# KiCad board HPM1500_DDR2_CORE_RevA.kicad_pcb (continued)
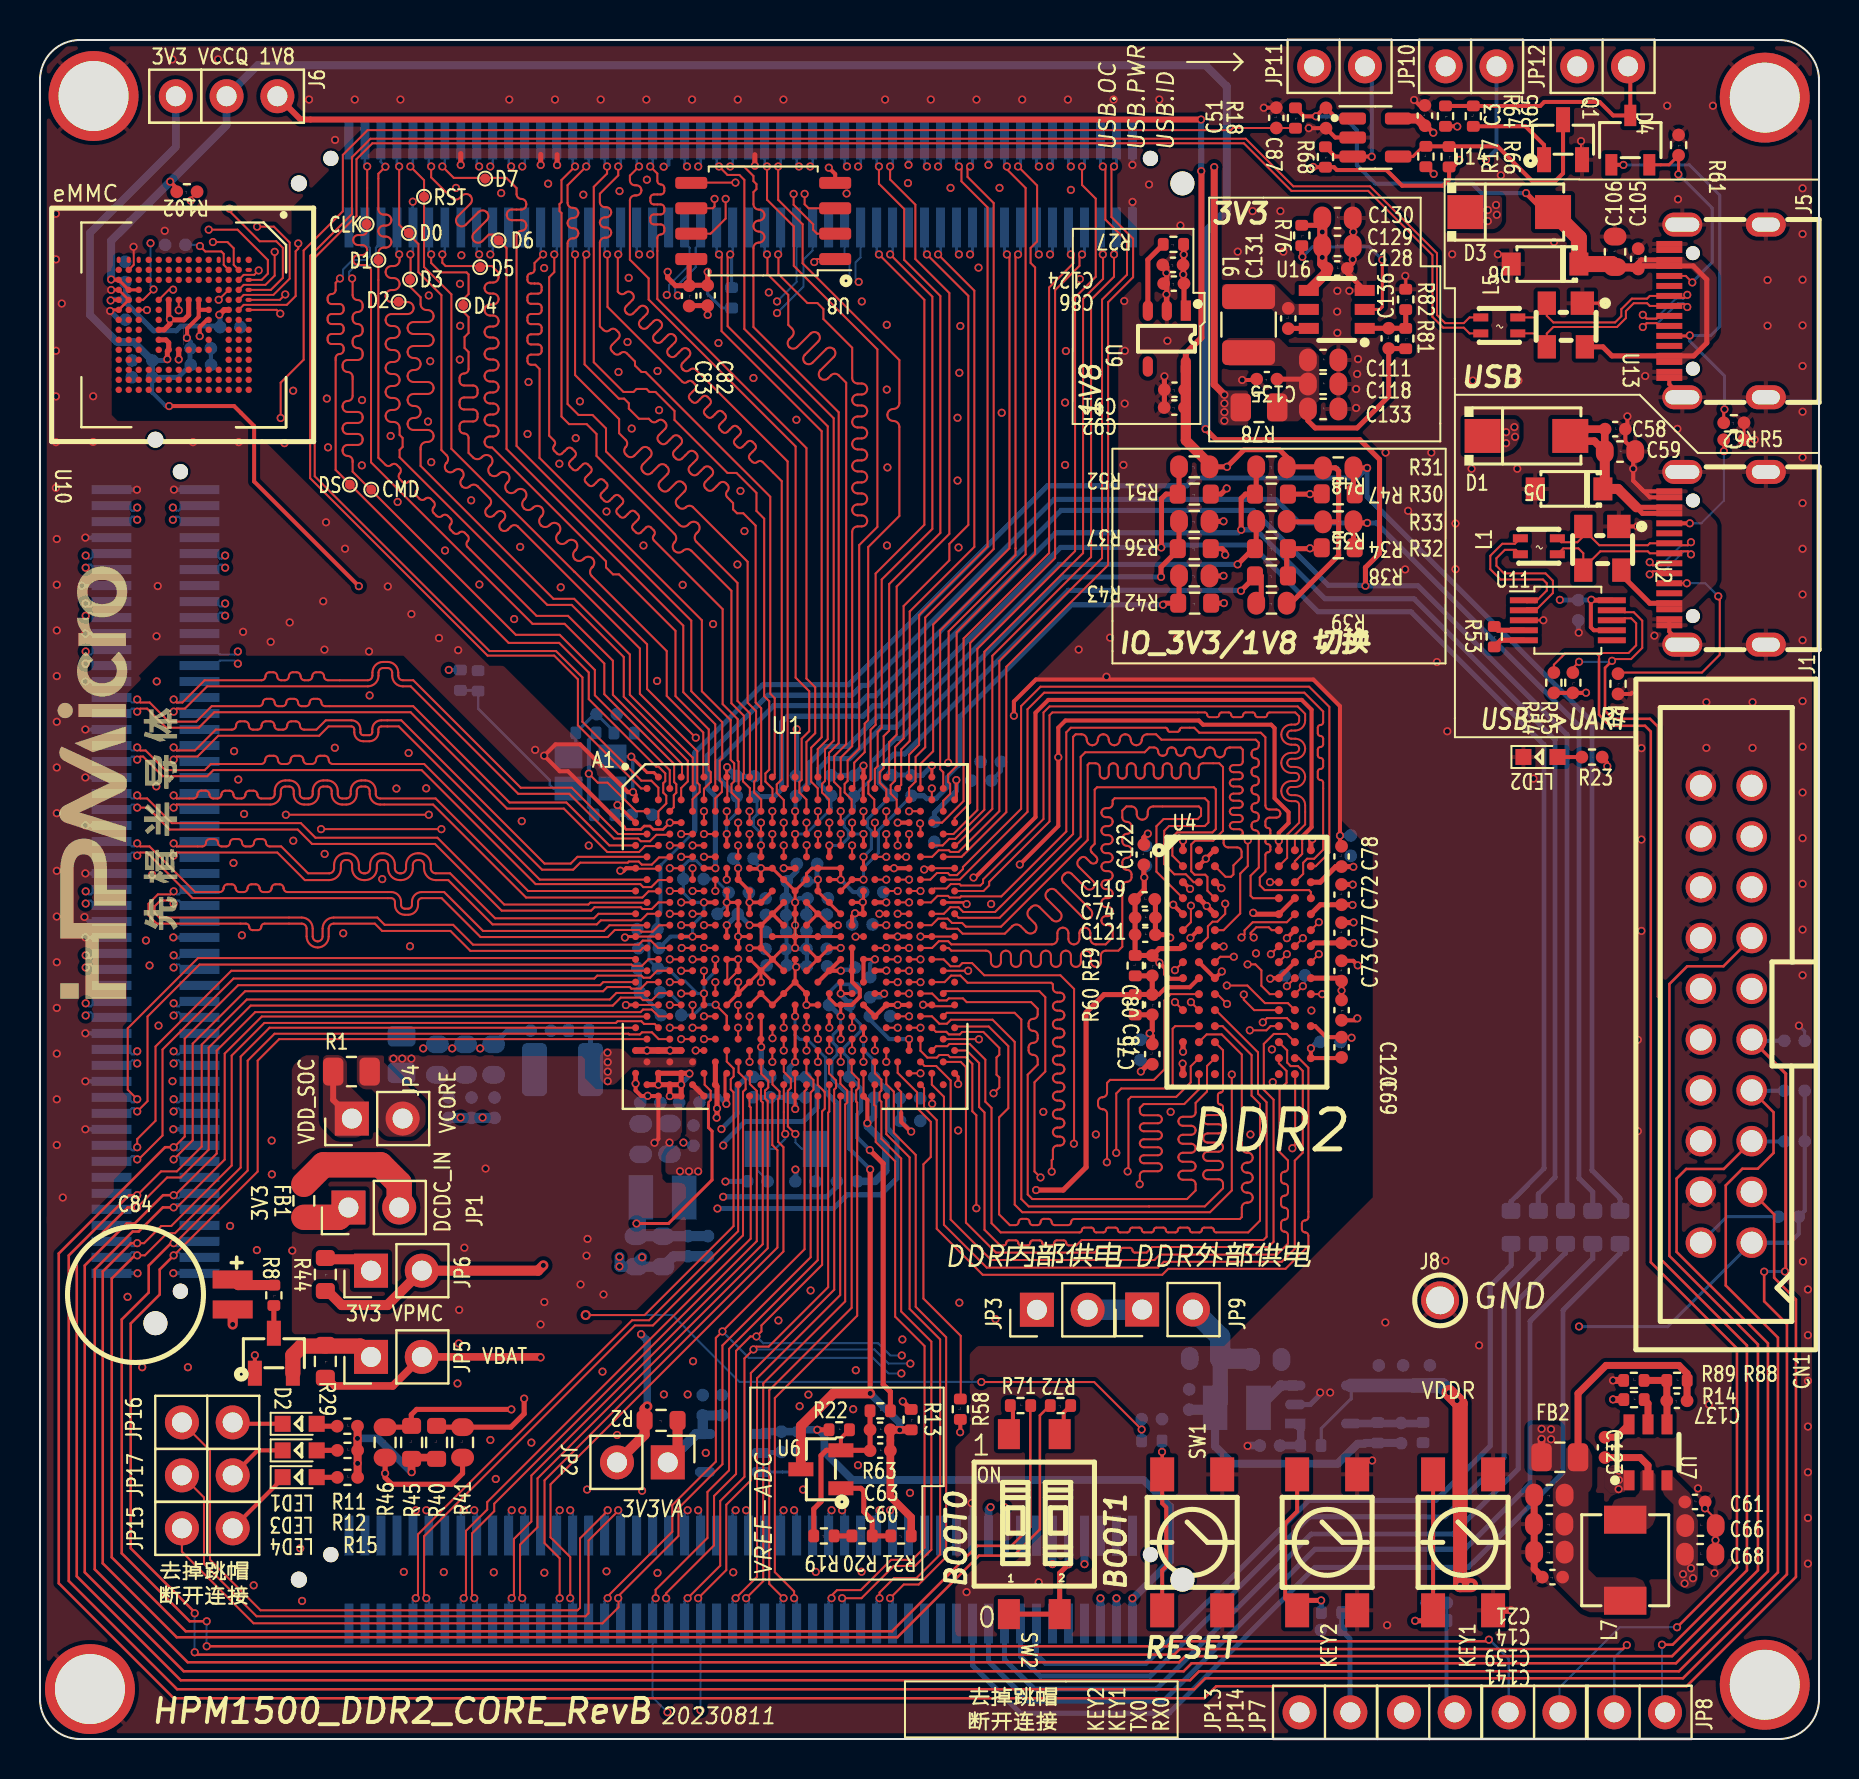
[diagram p0: board, top side]
## Library data of the parts (continued)
R14 R16 R24 R25 R27 R28 R54 R55 R57 R65-R68 R74 R76 = -: Description: Resistor; Company: UNI-ROYAL(厚声); Model: 0402WGF1002TCE
R17 R26 R84 R85 = -: Description: Resistor; ASSY_OPT: DNP; Company: YAGEO(国巨); Model: RC0402JR-070RL
R19 = -: Description: Resistor; Company: UNI-ROYAL(厚声); Model: 0402WGF4701TCE
R20 = -: Description: Resistor; Company: UNI-ROYAL(厚声); Model: 0402WGF2200TCE
R31 R33 R35 R37 R39 R41 R43 R46 R48 R52 = -: Description: Resistor; ASSY_OPT: DNP; Company: UNI-ROYAL(厚声); Model: 0603WAF0000T5E
R53 R59 R60 = -: Description: Resistor; Company: UNI-ROYAL(厚声); Model: 0402WGF2001TCE
R58 = -: Description: Resistor; Company: UNI-ROYAL(厚声); Model: 0402WGF2400TCE
R61 R62 = -: Description: Resistor; ASSY_OPT: DNP; Company: UNI-ROYAL(厚声); Model: 0402WGF5101TCE
R64 R81 R88 = -: Description: Resistor; Company: UNI-ROYAL(厚声); Model: 0402WGF1003TCE
R73 = -: Description: Resistor; Company: UNI-ROYAL(厚声); Model: 0402WGF2002TCE
R78 = -: Description: Resistor; ASSY_OPT: DNP; Company: FH(风华); Model: RS-05000JT
R82 R89 = -: Description: Resistor; Company: UNI-ROYAL(厚声); Model: 0402WGF2212TCE
SW2 = -: Company: 圜达; Model: DM-02-V
TRST1-TRST12 = -: Description: test point
U1 = -: Company: HPM
U2 U13 = -: Company: TECH PUBLIC(台舟)
U3 U16 = -: Company: silergy(矽力杰)
U4 = -: Description: DDR2; Company: WINBOND(华邦)
U5 U7 U9 = -: Company: TI
U8 = -: Company: MXIC(旺宏电子)
U10 = -: Company: ISSI
U11 = -: Description: USB serial converter, UART, MSOP-10; Company: WCH(南京沁恒)
X2 = -: Company: EPSON(爱普生); Model: FC-135 32.7680KA-AC
X3 = -: Company: YXC(扬兴晶振); Model: OT322524MJBA4SL

## Footprints (pads in the part's own frame, mm; a bottom-side part is the same pattern mirrored in y, then rotated)
3215
  rect 1.3x1.801 smd: 1(-1.458,0) 2(1.458,0)
 板对板连接器100P_0.8mm_公头
  round 0.8 hole 0.8 unplated: (-0.6,-3.2)
  round 0.762 hole 0.762 unplated: (1,-4.45) (42,-4.45)
  round 1.2 hole 1.2 unplated: (43.6,-3.2)
  rect 0.45x2 smd: 1(1.9,-5.4) 2(1.9,-1) 3(2.7,-5.4) 4(2.7,-1) 5(3.5,-5.4) 6(3.5,-1) 7(4.3,-5.4) 8(4.3,-1) 9(5.1,-5.4) 10(5.1,-1) 11(5.9,-5.4) 12(5.9,-1) 13(6.7,-5.4) 14(6.7,-1) 15(7.5,-5.4) 16(7.5,-1) 17(8.3,-5.4) 18(8.3,-1) 19(9.1,-5.4) 20(9.1,-1) 21(9.9,-5.4) 22(9.9,-1) 23(10.7,-5.4) 24(10.7,-1) 25(11.5,-5.4) 26(11.5,-1) 27(12.3,-5.4) 28(12.3,-1) 29(13.1,-5.4) 30(13.1,-1) 31(13.9,-5.4) 32(13.9,-1) 33(14.7,-5.4) 34(14.7,-1) 35(15.5,-5.4) 36(15.5,-1) 37(16.3,-5.4) 38(16.3,-1) 39(17.1,-5.4) 40(17.1,-1) 41(17.9,-5.4) 42(17.9,-1) 43(18.7,-5.4) 44(18.7,-1) 45(19.5,-5.4) 46(19.5,-1) 47(20.3,-5.4) 48(20.3,-1) 49(21.1,-5.4) 50(21.1,-1) 51(21.9,-5.4) 52(21.9,-1) 53(22.7,-5.4) 54(22.7,-1) 55(23.5,-5.4) 56(23.5,-1) 57(24.3,-5.4) 58(24.3,-1) 59(25.1,-5.4) 60(25.1,-1) 61(25.9,-5.4) 62(25.9,-1) 63(26.7,-5.4) 64(26.7,-1) 65(27.5,-5.4) 66(27.5,-1) 67(28.3,-5.4) 68(28.3,-1) 69(29.1,-5.4) 70(29.1,-1) 71(29.9,-5.4) 72(29.9,-1) 73(30.7,-5.4) 74(30.7,-1) 75(31.5,-5.4) 76(31.5,-1) 77(32.3,-5.4) 78(32.3,-1) 79(33.1,-5.4) 80(33.1,-1) 81(33.9,-5.4) 82(33.9,-1) 83(34.7,-5.4) 84(34.7,-1) 85(35.5,-5.4) 86(35.5,-1) 87(36.3,-5.4) 88(36.3,-1) 89(37.1,-5.4) 90(37.1,-1) 91(37.9,-5.4) 92(37.9,-1) 93(38.7,-5.4) 94(38.7,-1) 95(39.5,-5.4) 96(39.5,-1) 97(40.3,-5.4) 98(40.3,-1) 99(41.1,-5.4) 100(41.1,-1)
BGA153
  round 0.32 smd: A1(-3.251,3.251) A8(0.249,3.251) A9(0.749,3.251) A10(1.25,3.251) A11(1.75,3.251) A12(2.25,3.251) A13(2.751,3.251) A14(3.251,3.251) B2(-2.751,2.751) B3(-2.25,2.751) B4(-1.75,2.751) B5(-1.25,2.751) B6(-0.749,2.751) B7(-0.249,2.751) B8(0.249,2.751) B9(0.749,2.751) B10(1.25,2.751) B11(1.75,2.751) B12(2.25,2.751) B13(2.751,2.751) B14(3.251,2.751) C2(-2.751,2.25) C3(-2.25,2.25) C4(-1.75,2.25) C5(-1.25,2.25) C6(-0.749,2.25) C7(-0.249,2.25) C8(0.249,2.25) C9(0.749,2.25) C10(1.25,2.25) C11(1.75,2.25) C12(2.25,2.25) C13(2.751,2.25) C14(3.251,2.25) D2(-2.751,1.75) D3(-2.25,1.75) D4(-1.75,1.75) D12(2.25,1.75) D13(2.751,1.75) D14(3.251,1.75) E1(-3.251,1.25) E2(-2.751,1.25) E3(-2.25,1.25) E5(-1.25,1.25) E6(-0.749,1.25) E7(-0.249,1.25) E8(0.249,1.25) E9(0.749,1.25) E10(1.25,1.25) E12(2.25,1.25) E13(2.751,1.25) E14(3.251,1.25) F1(-3.251,0.749) F2(-2.751,0.749) F3(-2.25,0.749) F5(-1.25,0.749) F10(1.25,0.749) F12(2.25,0.749) F13(2.751,0.749) F14(3.251,0.749) G1(-3.251,0.249) G2(-2.751,0.249) G3(-2.25,0.249) G5(-1.25,0.249) G10(1.25,0.249) G12(2.25,0.249) G13(2.751,0.249) G14(3.251,0.249) H1(-3.251,-0.249) H2(-2.751,-0.249) H3(-2.25,-0.249) H5(-1.25,-0.249) H10(1.25,-0.249) H12(2.25,-0.249) H13(2.751,-0.249) H14(3.251,-0.249) J1(-3.251,-0.749) J2(-2.751,-0.749) J3(-2.25,-0.749) J5(-1.25,-0.749) J10(1.25,-0.749) J12(2.25,-0.749) J13(2.751,-0.749) J14(3.251,-0.749) K1(-3.251,-1.25) K2(-2.751,-1.25) K3(-2.25,-1.25) K5(-1.25,-1.25) K6(-0.749,-1.25) K7(-0.249,-1.25) K8(0.249,-1.25) K9(0.749,-1.25) K10(1.25,-1.25) K12(2.25,-1.25) K13(2.751,-1.25) K14(3.251,-1.25) L1(-3.251,-1.75) L2(-2.751,-1.75) L3(-2.25,-1.75) L12(2.25,-1.75) L13(2.751,-1.75) L14(3.251,-1.75) M2(-2.751,-2.25) M3(-2.25,-2.25) M4(-1.75,-2.25) M5(-1.25,-2.25) M6(-0.749,-2.25) M7(-0.249,-2.25) M8(0.249,-2.25) M9(0.749,-2.25) M10(1.25,-2.25) M11(1.75,-2.25) M12(2.25,-2.25) M13(2.751,-2.25) M14(3.251,-2.25) N2(-2.751,-2.751) N3(-2.25,-2.751) N4(-1.75,-2.751) N5(-1.25,-2.751) N6(-0.749,-2.751) N7(-0.249,-2.751) N8(0.249,-2.751) N9(0.749,-2.751) N10(1.25,-2.751) N11(1.75,-2.751) N12(2.25,-2.751) N13(2.751,-2.751) N14(3.251,-2.751) P2(-2.751,-3.251) P3(-2.25,-3.251) P4(-1.75,-3.251) P5(-1.25,-3.251) P6(-0.749,-3.251) P7(-0.249,-3.251) P8(0.249,-3.251) P9(0.749,-3.251) P10(1.25,-3.251) P11(1.75,-3.251) P12(2.25,-3.251) P13(2.751,-3.251) P14(3.251,-3.251)
  oval 0.2x0.32 smd: A2(-2.751,3.251) A3(-2.25,3.251) A4(-1.75,3.251) A5(-1.25,3.251) A6(-0.749,3.251) A7(-0.249,3.251)
  oval 0.32x0.2 smd: B1(-3.251,2.751) C1(-3.251,2.25) D1(-3.251,1.75) M1(-3.251,-2.25) N1(-3.251,-2.751) P1(-3.251,-3.251)
BGA_417
  round 0.35 smd: A3(-6.84,7.98) A5(-5.7,7.98) A7(-4.56,7.98) A9(-3.42,7.98) A11(-2.28,7.98) A13(-1.14,7.98) A15(0,7.98) A17(1.14,7.98) A19(2.28,7.98) A21(3.42,7.98) A23(4.56,7.98) A25(5.7,7.98) A27(6.84,7.98) AA1(-7.98,-3.42) AA3(-6.84,-3.42) AA5(-5.7,-3.42) AA7(-4.56,-3.42) AA9(-3.42,-3.42) AA11(-2.28,-3.42) AA13(-1.14,-3.42) AA15(0,-3.42) AA17(1.14,-3.42) AA19(2.28,-3.42) AA21(3.42,-3.42) AA23(4.56,-3.42) AA25(5.7,-3.42) AA27(6.84,-3.42) AA29(7.98,-3.42) AB2(-7.41,-3.99) AB4(-6.27,-3.99) AB6(-5.13,-3.99) AB8(-3.99,-3.99) AB10(-2.85,-3.99) AB12(-1.71,-3.99) AB14(-0.57,-3.99) AB16(0.57,-3.99) AB18(1.71,-3.99) AB20(2.85,-3.99) AB22(3.99,-3.99) AB24(5.13,-3.99) AB26(6.27,-3.99) AB28(7.41,-3.99) AC1(-7.98,-4.56) AC3(-6.84,-4.56) AC5(-5.7,-4.56) AC7(-4.56,-4.56) AC9(-3.42,-4.56) AC11(-2.28,-4.56) AC13(-1.14,-4.56) AC15(0,-4.56) AC17(1.14,-4.56) AC19(2.28,-4.56) AC21(3.42,-4.56) AC23(4.56,-4.56) AC25(5.7,-4.56) AC27(6.84,-4.56) AC29(7.98,-4.56) AD2(-7.41,-5.13) AD4(-6.27,-5.13) AD6(-5.13,-5.13) AD8(-3.99,-5.13) AD10(-2.85,-5.13) AD12(-1.71,-5.13) AD14(-0.57,-5.13) AD16(0.57,-5.13) AD18(1.71,-5.13) AD20(2.85,-5.13) AD22(3.99,-5.13) AD24(5.13,-5.13) AD26(6.27,-5.13) AD28(7.41,-5.13) AE1(-7.98,-5.7) AE3(-6.84,-5.7) AE5(-5.7,-5.7) AE7(-4.56,-5.7) AE9(-3.42,-5.7) AE11(-2.28,-5.7) AE13(-1.14,-5.7) AE15(0,-5.7) AE17(1.14,-5.7) AE19(2.28,-5.7) AE21(3.42,-5.7) AE23(4.56,-5.7) AE25(5.7,-5.7) AE27(6.84,-5.7) AE29(7.98,-5.7) AF2(-7.41,-6.27) AF4(-6.27,-6.27) AF6(-5.13,-6.27) AF8(-3.99,-6.27) AF10(-2.85,-6.27) AF12(-1.71,-6.27) AF14(-0.57,-6.27) AF16(0.57,-6.27) AF18(1.71,-6.27) AF20(2.85,-6.27) AF22(3.99,-6.27) AF24(5.13,-6.27) AF26(6.27,-6.27) AF28(7.41,-6.27) AG1(-7.98,-6.84) AG3(-6.84,-6.84) AG5(-5.7,-6.84) AG7(-4.56,-6.84) AG9(-3.42,-6.84) AG11(-2.28,-6.84) AG13(-1.14,-6.84) AG15(0,-6.84) AG17(1.14,-6.84) AG19(2.28,-6.84) AG21(3.42,-6.84) AG23(4.56,-6.84) AG25(5.7,-6.84) AG27(6.84,-6.84) AG29(7.98,-6.84) AH2(-7.41,-7.41) AH4(-6.27,-7.41) AH6(-5.13,-7.41) AH8(-3.99,-7.41) AH10(-2.85,-7.41) AH12(-1.71,-7.41) AH14(-0.57,-7.41) AH16(0.57,-7.41) AH18(1.71,-7.41) AH20(2.85,-7.41) AH22(3.99,-7.41) AH24(5.13,-7.41) AH26(6.27,-7.41) AH28(7.41,-7.41) AJ3(-6.84,-7.98) AJ5(-5.7,-7.98) AJ7(-4.56,-7.98) AJ9(-3.42,-7.98) AJ11(-2.28,-7.98) AJ13(-1.14,-7.98) AJ15(0,-7.98) AJ17(1.14,-7.98) AJ19(2.28,-7.98) AJ21(3.42,-7.98) AJ23(4.56,-7.98) AJ25(5.7,-7.98) AJ27(6.84,-7.98) B2(-7.41,7.41) B4(-6.27,7.41) B6(-5.13,7.41) B8(-3.99,7.41) B10(-2.85,7.41) B12(-1.71,7.41) B14(-0.57,7.41) B16(0.57,7.41) B18(1.71,7.41) B20(2.85,7.41) B22(3.99,7.41) B24(5.13,7.41) B26(6.27,7.41) B28(7.41,7.41) C1(-7.98,6.84) C3(-6.84,6.84) C5(-5.7,6.84) C7(-4.56,6.84) C9(-3.42,6.84) C11(-2.28,6.84) C13(-1.14,6.84) C15(0,6.84) C17(1.14,6.84) C19(2.28,6.84) C21(3.42,6.84) C23(4.56,6.84) C25(5.7,6.84) C27(6.84,6.84) C29(7.98,6.84) D2(-7.41,6.27) D4(-6.27,6.27) D6(-5.13,6.27) D8(-3.99,6.27) D10(-2.85,6.27) D12(-1.71,6.27) D14(-0.57,6.27) D16(0.57,6.27) D18(1.71,6.27) D20(2.85,6.27) D22(3.99,6.27) D24(5.13,6.27) D26(6.27,6.27) D28(7.41,6.27) E1(-7.98,5.7) E3(-6.84,5.7) E5(-5.7,5.7) E7(-4.56,5.7) E9(-3.42,5.7) E11(-2.28,5.7) E13(-1.14,5.7) E15(0,5.7) E17(1.14,5.7) E19(2.28,5.7) E21(3.42,5.7) E23(4.56,5.7) E25(5.7,5.7) E27(6.84,5.7) E29(7.98,5.7) F2(-7.41,5.13) F4(-6.27,5.13) F6(-5.13,5.13) F8(-3.99,5.13) F10(-2.85,5.13) F12(-1.71,5.13) F14(-0.57,5.13) F16(0.57,5.13) F18(1.71,5.13) F20(2.85,5.13) F22(3.99,5.13) F24(5.13,5.13) F26(6.27,5.13) F28(7.41,5.13) G1(-7.98,4.56) G3(-6.84,4.56) G5(-5.7,4.56) G7(-4.56,4.56) G9(-3.42,4.56) G11(-2.28,4.56) G13(-1.14,4.56) G15(0,4.56) G17(1.14,4.56) G19(2.28,4.56) G21(3.42,4.56) G23(4.56,4.56) G25(5.7,4.56) G27(6.84,4.56) G29(7.98,4.56) H2(-7.41,3.99) H4(-6.27,3.99) H6(-5.13,3.99) H8(-3.99,3.99) H10(-2.85,3.99) H12(-1.71,3.99) H14(-0.57,3.99) H16(0.57,3.99) H18(1.71,3.99) H20(2.85,3.99) H22(3.99,3.99) H24(5.13,3.99) H26(6.27,3.99) H28(7.41,3.99) J1(-7.98,3.42) J3(-6.84,3.42) J5(-5.7,3.42) J7(-4.56,3.42) J9(-3.42,3.42) J11(-2.28,3.42) J13(-1.14,3.42) J15(0,3.42) J17(1.14,3.42) J19(2.28,3.42) J21(3.42,3.42) J23(4.56,3.42) J25(5.7,3.42) J27(6.84,3.42) J29(7.98,3.42) K2(-7.41,2.85) K4(-6.27,2.85) K6(-5.13,2.85) K8(-3.99,2.85) K10(-2.85,2.85) K12(-1.71,2.85) K14(-0.57,2.85) K16(0.57,2.85) K18(1.71,2.85) K20(2.85,2.85) K22(3.99,2.85) K24(5.13,2.85) K26(6.27,2.85) K28(7.41,2.85) L1(-7.98,2.28) L3(-6.84,2.28) L5(-5.7,2.28) L7(-4.56,2.28) L9(-3.42,2.28) L11(-2.28,2.28) L13(-1.14,2.28) L15(0,2.28) L17(1.14,2.28) L19(2.28,2.28) L21(3.42,2.28) L23(4.56,2.28) L25(5.7,2.28) L27(6.84,2.28) L29(7.98,2.28) M2(-7.41,1.71) M4(-6.27,1.71) M6(-5.13,1.71) M8(-3.99,1.71) M10(-2.85,1.71) M12(-1.71,1.71) M14(-0.57,1.71) M16(0.57,1.71) M18(1.71,1.71) M20(2.85,1.71) M22(3.99,1.71) M24(5.13,1.71) M26(6.27,1.71) M28(7.41,1.71) N1(-7.98,1.14) N3(-6.84,1.14) N5(-5.7,1.14) N7(-4.56,1.14) N9(-3.42,1.14) N11(-2.28,1.14) N13(-1.14,1.14) N15(0,1.14) N17(1.14,1.14) N19(2.28,1.14) N21(3.42,1.14) N23(4.56,1.14) N25(5.7,1.14) N27(6.84,1.14) N29(7.98,1.14) P2(-7.41,0.57) P4(-6.27,0.57) P6(-5.13,0.57) P8(-3.99,0.57) P10(-2.85,0.57) P12(-1.71,0.57) P14(-0.57,0.57) P16(0.57,0.57) P18(1.71,0.57) P20(2.85,0.57) P22(3.99,0.57) P24(5.13,0.57) P26(6.27,0.57) P28(7.41,0.57) R1(-7.98,0) R3(-6.84,0) R5(-5.7,0) R7(-4.56,0) R9(-3.42,0) R11(-2.28,0) R13(-1.14,0) R15(0,0) R17(1.14,0) R19(2.28,0) R21(3.42,0) R23(4.56,0) R25(5.7,0) R27(6.84,0) R29(7.98,0) T2(-7.41,-0.57) T4(-6.27,-0.57) T6(-5.13,-0.57) T8(-3.99,-0.57) T10(-2.85,-0.57) T12(-1.71,-0.57) T14(-0.57,-0.57) T16(0.57,-0.57) T18(1.71,-0.57) T20(2.85,-0.57) T22(3.99,-0.57) T24(5.13,-0.57) T26(6.27,-0.57) T28(7.41,-0.57) U1(-7.98,-1.14) U3(-6.84,-1.14) U5(-5.7,-1.14) U7(-4.56,-1.14) U9(-3.42,-1.14) U11(-2.28,-1.14) U13(-1.14,-1.14) U15(0,-1.14) U17(1.14,-1.14) U19(2.28,-1.14) U21(3.42,-1.14) U23(4.56,-1.14) U25(5.7,-1.14) U27(6.84,-1.14) U29(7.98,-1.14) V2(-7.41,-1.71) V4(-6.27,-1.71) V6(-5.13,-1.71) V8(-3.99,-1.71) V10(-2.85,-1.71) V12(-1.71,-1.71) V14(-0.57,-1.71) V16(0.57,-1.71) V18(1.71,-1.71) V20(2.85,-1.71) V22(3.99,-1.71) V24(5.13,-1.71) V26(6.27,-1.71) V28(7.41,-1.71) W1(-7.98,-2.28) W3(-6.84,-2.28) W5(-5.7,-2.28) W7(-4.56,-2.28) W9(-3.42,-2.28) W11(-2.28,-2.28) W13(-1.14,-2.28) W15(0,-2.28) W17(1.14,-2.28) W19(2.28,-2.28) W21(3.42,-2.28) W23(4.56,-2.28) W25(5.7,-2.28) W27(6.84,-2.28) W29(7.98,-2.28) Y2(-7.41,-2.85) Y4(-6.27,-2.85) Y6(-5.13,-2.85) Y8(-3.99,-2.85) Y10(-2.85,-2.85) Y12(-1.71,-2.85) Y14(-0.57,-2.85) Y16(0.57,-2.85) Y18(1.71,-2.85) Y20(2.85,-2.85) Y22(3.99,-2.85) Y24(5.13,-2.85) Y26(6.27,-2.85) Y28(7.41,-2.85)
C_0402
  round 0.635 smd: 1(-0.508,0) 2(0.508,0)
C_0603
  oval 0.889x1.143 smd: 1(-0.762,0) 2(0.762,0)
DMS3R3224
  rect 2x0.9 smd: 1(-0.001,0.749) 2(0.001,-0.749)
FBGA-84
  round 0.4 smd: A1(-3.2,5.601) A2(-2.4,5.601) A3(-1.6,5.601) A7(1.6,5.601) A8(2.4,5.601) A9(3.2,5.601) B1(-3.2,4.801) B2(-2.4,4.801) B3(-1.6,4.801) B7(1.6,4.801) B8(2.4,4.801) B9(3.2,4.801) C1(-3.2,4) C2(-2.4,4) C3(-1.6,4) C7(1.6,4) C8(2.4,4) C9(3.2,4) D1(-3.2,3.2) D2(-2.4,3.2) D3(-1.6,3.2) D7(1.6,3.2) D8(2.4,3.2) D9(3.2,3.2) E1(-3.2,2.4) E2(-2.4,2.4) E3(-1.6,2.4) E7(1.6,2.4) E8(2.4,2.4) E9(3.2,2.4) F1(-3.2,1.6) F2(-2.4,1.6) F3(-1.6,1.6) F7(1.6,1.6) F8(2.4,1.6) F9(3.2,1.6) G1(-3.2,0.8) G2(-2.4,0.8) G3(-1.6,0.8) G7(1.6,0.8) G8(2.4,0.8) G9(3.2,0.8) H1(-3.2,0) H2(-2.4,0) H3(-1.6,0) H7(1.6,0) H8(2.4,0) H9(3.2,0) J1(-3.2,-0.8) J2(-2.4,-0.8) J3(-1.6,-0.8) J7(1.6,-0.8) J8(2.4,-0.8) J9(3.2,-0.8) K2(-2.4,-1.6) K3(-1.6,-1.6) K7(1.6,-1.6) K8(2.4,-1.6) K9(3.2,-1.6) L1(-3.2,-2.4) L2(-2.4,-2.4) L3(-1.6,-2.4) L7(1.6,-2.4) L8(2.4,-2.4) M2(-2.4,-3.2) M3(-1.6,-3.2) M7(1.6,-3.2) M8(2.4,-3.2) M9(3.2,-3.2) N1(-3.2,-4.001) N2(-2.4,-4.001) N3(-1.6,-4.001) N7(1.6,-4.001) N8(2.4,-4.001) P2(-2.4,-4.801) P3(-1.6,-4.801) P7(1.6,-4.801) P8(2.4,-4.801) P9(3.2,-4.801) R1(-3.2,-5.601) R2(-2.4,-5.601) R3(-1.6,-5.601) R7(1.6,-5.601) R8(2.4,-5.601)
FIX
  round 4.5 hole 3.5: 1(4.8,-1.846)
FIX#2
  round 4.5 hole 3.5: 1(0,-2.5)
FIX#3
  round 4.5 hole 3.5: 1(7.075,-6.846)
KEY_4.5mm
  rect 1.699x1.199 smd: 1(-3.401,-1.501) 2(3.401,-1.501) 3(3.401,1.501) 4(-3.401,1.501)
L2012
  rect 0.4x0.75 smd: 1(-0.4,-0.925) 2(-0.4,0.925) 3(0.4,0.925) 4(0.4,-0.925)
L252010
  rect 1.23x2.22 smd: 1(-1.085,0) 2(1.085,0)
L_1210_3225Metric
  rrect 1.25x2.65 smd: 1(-1.4,0) 2(1.4,0)
LED_0603
  rect 0.8x0.8 smd: 1(0.851,0) 2(-0.851,0)
MSOP-10
  rect 1.4x0.3 smd: 1(-2.2,1) 2(-2.2,0.5) 3(-2.2,0) 4(-2.2,-0.5) 5(-2.2,-1) 6(2.2,-1) 7(2.2,-0.5) 8(2.2,0) 9(2.2,0.5) 10(2.2,1)
OSC-3225
  rect 1.4x1.2 smd: 1(-1.1,-0.8) 2(1.1,-0.8) 3(1.1,0.8) 4(-1.1,0.8)
PinHeader_1x02_P2.54mm
  round 1.7 hole 1: 1(0,0)
  oval 1.7x1.7 hole 1: 2(0,-2.54)
PinHeader_1x02_P2.54mm_Vertical
  rect 1.7x1.7 hole 1: 1(0,0)
  oval 1.7x1.7 hole 1: 2(0,-2.54)
PinHeader_1x03_P2.54mm
  round 1.7 hole 1: 1(0,0)
  oval 1.7x1.7 hole 1: 2(0,-2.54) 3(0,-5.08)
PRTR5V0U2X
  rect 1.168x1.168 smd: 1(-1.092,0.826)
  rect 1.168x0.914 smd: 2(-1.092,-0.953) 3(1.092,-0.953) 4(1.092,0.953)
R_0402
  round 0.635 smd: 1(-0.508,0) 2(0.508,0)
R_0402_1005Metric
  rrect 0.54x0.64 smd: 1(-0.51,0) 2(0.51,0)
R_0603
  oval 0.889x1.143 smd: 1(-0.762,0) 2(0.762,0)
R_0603_1608Metric
  rrect 0.8x0.95 smd: 1(-0.825,0) 2(0.825,0)
R_0805_2012Metric
  rrect 1.025x1.4 smd: 1(-0.912,0) 2(0.912,0)
SMA
  rect 1.801x1.699 smd: 1(-2.192,0) 2(2.192,0)
SMD_L4.4-W4.2
  rect 1.4x2.12 smd: 1(2.028,0) 2(-2.028,0)
SOD-123
  rect 0.95x1.15 smd: 1(-1.692,0) 2(1.692,0)
SOIC8_208mil
  rrect 1.6x0.6 smd: 1(-3.6,1.905) 2(-3.6,0.635) 3(-3.6,-0.635) 4(-3.6,-1.905) 5(3.6,-1.905) 6(3.6,-0.635) 7(3.6,0.635) 8(3.6,1.905)
SOT-23
  rect 1.25x0.7 smd: 1(1,-0.95) 2(1,0.95) 3(-1,0)
SOT-23-3L
  rect 1.07x0.6 smd: 1(1.235,-0.95) 2(1.235,0.95) 3(-1.235,0)
SOT-23-5
  rrect 1.325x0.6 smd: 1(-1.137,0.95) 2(-1.137,0) 3(-1.137,-0.95) 4(1.137,-0.95) 5(1.137,0.95)
SOT-23-5#2
  rect 1.016x0.508 smd: 1(-1.397,0.95)
  oval 1.016x0.508 smd: 2(-1.397,0) 3(-1.397,-0.95) 4(1.397,-0.95) 5(1.397,0.95)
SOT-23-6
  rect 1x0.55 smd: 1(1.4,-0.95) 2(1.4,0) 3(1.4,0.95) 4(-1.4,0.95) 5(-1.4,0) 6(-1.4,-0.95)
TestPoint_Pad_D0.5mm
  round 0.5 smd: 1(0,0)
TYPE-C-16P
  round 0.7 hole 0.7 unplated: (-2.89,1.235) (2.89,1.235)
  oval 1.2x2 hole 0.7x1.7: 1(-4.32,1.765) 2(4.32,1.765)
  oval 1.2x2 hole 0.7x1.4: 3(-4.32,-2.415) 4(4.32,-2.415)
  rect 0.3x1.3 smd: A1(-3.35,2.415) A4(-2.55,2.415) A5(-1.25,2.415) A6(-0.25,2.415) A7(0.25,2.415) A8(1.25,2.415) A9(2.55,2.415) A12(3.35,2.415) B1(3.05,2.415) B4(2.25,2.415) B5(1.75,2.415) B6(0.75,2.415) B7(-0.75,2.415) B8(-1.75,2.415) B9(-2.25,2.415) B12(-3.05,2.415)
拨码开关2.54mm
  rect 1.501x1.1 smd: 1(4.651,-1.42) 2(4.651,1.12) 3(-4.351,1.12) 4(-4.351,-1.42)
测试针
  round 1.9 hole 1.39: 1(0,0)
简易牛角插座 2-10P
  round 1.524 hole 1.1: 1(-11.43,-1.27) 2(-11.43,1.27) 3(-8.89,-1.27) 4(-8.89,1.27) 5(-6.35,-1.27) 6(-6.35,1.27) 7(-3.81,-1.27) 8(-3.81,1.27) 9(-1.27,-1.27) 10(-1.27,1.27) 11(1.27,-1.27) 12(1.27,1.27) 13(3.81,-1.27) 14(3.81,1.27) 15(6.35,-1.27) 16(6.35,1.27) 17(8.89,-1.27) 18(8.89,1.27) 19(11.43,-1.27) 20(11.43,1.27)

## Nets
5V_Debug: C58.1 C59.1 D1.2 D5.1 J1.A4 J1.A9 J1.B4 J1.B9 U2.4
+1V8: C91.1 C92.1 J4.81 J4.83 J6.3 R31.1 R33.1 R35.1 R37.1 R39.1 R41.1 R43.1 R46.1 R48.1 R52.1 U9.5
+3.3V: C33.1 C34.1 C56.1 C82.1 C83.1 C96.1 C97.1 C98.1 C114.1 CN1.1 D2.1 FB1.2 FB2.1 J4.89 J4.91 J4.93 J6.1 JP1.1 JP6.1 R11.2 R12.2 R15.2 R16.1 R25.1 R26.2 R28.2 R30.1 R32.1 R34.1 R36.1 R38.1 R40.1 R42.1 R44.1 R45.1 R47.1 R51.1 R54.2 R55.2 R64.2 R66.2 R68.2 R78.2 R84.1 SW2.1 SW2.2 U1.J15 U1.K10 U1.L11 U1.L13 U1.M12 U1.N11 U8.8 U10.E6 U10.F5 U10.J10 U10.K9 U11.7 U11.10
+3.3VA: C7.1 C126.1 JP2.1 R2.1 U5.5
+5V: C3.1 C5.1 C54.1 C55.1 C61.1 C66.1 C68.1 C86.1 C124.1 C125.1 C128.1 C129.1 C130.1 D1.1 D3.1 J4.96 J4.98 J4.100 R14.1 R22.1 R23.2 R27.1 R57.1 R67.2 R76.1 U3.4 U5.1 U7.3 U9.1 U14.5 U16.4
/Main/MCU-08/VDDR': C85.1 C90.1 C112.1 C113.1 JP3.1 L2.2 U1.AG7
AGND: C25.2 C37.2 C38.2 C60.2 C63.2 R13.2 R21.1 U1.AA19 U1.T20 U1.V20 U1.Y18 U6.3
GND: C1.2 C2.2 C3.2 C4.2 C5.2 C6.2 C7.2 C8.2 C9.2 C10.2 C11.2 C12.2 C13.2 C14.2 C15.2 C16.2 C17.2 C18.2 C19.2 C20.2 C21.2 C22.2 C23.2 C24.2 C26.2 C27.2 C28.2 C29.2 C30.2 C31.2 C33.2 C34.2 C35.2 C39.2 C40.2 C41.2 C42.2 C43.2 C44.2 C45.2 C46.2 C47.2 C48.2 C49.2 C50.2 C51.2 C52.2 C53.2 C54.2 C55.2 C56.2 C57.2 C58.2 C59.2 C61.2 C64.2 C65.2 C66.2 C67.2 C68.2 C69.2 C70.2 C71.2 C72.2 C73.2 C74.2 C75.2 C76.2 C77.2 C78.2 C79.2 C81.2 C82.2 C83.2 C84.2 C86.2 C87.2 C91.2 C92.2 C93.2 C94.2 C95.1 C96.2 C97.2 C98.2 C99.2 C101.2 C102.2 C103.2 C105.2 C106.2 C107.2 C108.2 C109.2 C110.2 C111.2 C114.2 C115.2 C116.2 C118.2 C119.2 C120.2 C121.2 C122.2 C124.2 C125.2 C126.2 C128.2 C129.2 C130.2 C132.2 C133.2 C134.2 C135.2 C138.2 C139.2 C141.2 C145.2 CN1.4 CN1.6 CN1.8 CN1.10 CN1.12 CN1.14 CN1.16 CN1.18 CN1.20 D5.2 D6.2 H1.1 H2.1 H3.1 H4.1 J1.1 J1.2 J1.3 J1.4 J1.A1 J1.A12 J1.B1 J1.B12 J2.1 J2.2 J2.7 J2.8 J2.13 J2.14 J2.19 J2.20 J2.25 J2.26 J2.31 J2.32 J2.37 J2.38 J2.43 J2.44 J2.49 J2.50 J2.55 J2.56 J2.57 J2.58 J2.63 J2.64 J2.69 J2.70 J2.75 J2.76 J2.81 J2.82 J2.87 J2.88 J2.93 J2.94 J2.99 J2.100 J3.1 J3.2 J3.15 J3.16 J3.22 J3.24 J3.25 J3.27 J3.41 J3.42 J3.51 J3.52 J3.61 J3.62 J3.71 J3.72 J3.81 J3.82 J3.99 J3.100 J4.1 J4.2 J4.3 J4.4 J4.5 J4.6 J4.7 J4.8 J4.13 J4.14 J4.19 J4.20 J4.25 J4.26 J4.31 J4.32 J4.37 J4.38 J4.39 J4.41 J4.47 J4.48 J4.53 J4.54 J4.59 J4.60 J4.65 J4.66 J4.71 J4.72 J4.73 J4.74 J4.75 J4.76 J4.77 J4.78 J4.79 J4.85 J4.87 J4.90 J4.92 J4.94 J4.95 J4.97 J4.99 J5.1 J5.2 J5.3 J5.4 J5.A1 J5.A12 J5.B1 J5.B12 J8.1 KEY1.1 KEY1.2 KEY2.1 KEY2.2 LED2.1 Q1.2 R4.2 R5.2 R13.1 R24.2 R58.1 R60.1 R61.1 R62.1 R74.1 R77.2 R82.1 R83.1 R85.1 R89.1 SW1.1 SW1.2 U1.A3 U1.A9 U1.A15 U1.A21 U1.A27 U1.AA1 U1.AA3 U1.AA11 U1.AA13 U1.AA17 U1.AA27 U1.AA29 U1.AD28 U1.AE25 U1.AG1 U1.AG9 U1.AG15 U1.AG21 U1.AG29 U1.AH24 U1.AJ3 U1.AJ9 U1.AJ15 U1.AJ21 U1.AJ27 U1.C1 U1.C9 U1.C15 U1.C21 U1.C29 U1.E5 U1.E25 U1.J1 U1.J3 U1.J11 U1.J13 U1.J17 U1.J19 U1.J27 U1.J29 U1.K12 U1.K14 U1.K16 U1.K18 U1.L9 U1.L15 U1.L21 U1.M10 U1.M20 U1.M28 U1.N9 U1.N15 U1.N21 U1.P10 U1.P20 U1.R1 U1.R3 U1.R11 U1.R13 U1.R15 U1.R17 U1.R19 U1.R27 U1.R29 U1.T10 U1.U9 U1.U15 U1.U21 U1.V10 U1.V28 U1.W9 U1.W15 U1.W21 U1.Y12 U1.Y14 U1.Y16 U2.1 U3.2 U4.A3 U4.A7 U4.B2 U4.B8 U4.D2 U4.D8 U4.E3 U4.E7 U4.F2 U4.F8 U4.H2 U4.H8 U4.J3 U4.J7 U4.N1 U4.P9 U5.2 U7.1 U8.4 U9.2 U10.A6 U10.C4 U10.E7 U10.G5 U10.H10 U10.J5 U10.K8 U10.N2 U10.N5 U10.P4 U10.P6 U11.3 U13.1 U14.2 U16.3 X3.2
VBAT: C39.1 C46.1 JP5.2 R29.2 U1.AC15 U1.AE15
VBUS: C87.1 C105.1 C106.1 D3.2 D6.1 J5.A4 J5.A9 J5.B4 J5.B9 R18.1 U13.4 U14.1
VDD_2V5CAP: C94.1 C145.1 U1.L17 U1.M18 U1.N19
VDD_PMCCAP: C45.1 C48.1 U1.AC9
VDD_SOC: C4.1 C9.1 C11.1 C12.1 C13.1 C15.1 C41.1 C42.1 C43.1 C44.1 C93.1 JP4.1 R1.1 U1.AA9 U1.AE7 U1.M14 U1.M16 U1.N13 U1.N17 U1.P12 U1.P14 U1.P16 U1.P18 U1.R9 U1.T12 U1.T14 U1.T16 U1.T18 U1.U11 U1.U13 U1.U17 U1.V12 U1.V14 U1.V16 U1.W11 U1.W13 U1.Y10
VDDR: C17.1 C19.1 C22.1 C23.1 C26.1 C27.1 C28.1 C69.1 C70.1 C71.1 C72.1 C73.1 C74.1 C75.1 C76.1 C77.1 C78.1 C80.1 C119.1 C120.1 C121.1 C122.1 C132.1 C138.1 JP3.2 JP9.1 R59.2 U1.AA21 U1.AA23 U1.AA25 U1.AB22 U1.J23 U1.J25 U1.M22 U1.R23 U1.R25 U1.V22 U4.A1 U4.A9 U4.C1 U4.C3 U4.C7 U4.C9 U4.E1 U4.E9 U4.G1 U4.G3 U4.G7 U4.G9 U4.J1 U4.J9 U4.M9 U4.R1
VDDR_VREF: C79.1 C80.2 C81.1 R59.1 R60.2 U1.R21 U1.Y22 U4.J2
/Main/DDR2/A0: U1.AC27 U4.M8
/Main/DDR2/A1: U1.AE27 U4.M3
/Main/DDR2/A2: U1.AB26 U4.M7
/Main/DDR2/A3: U1.AC29 U4.N2
/Main/DDR2/A4: U1.AF28 U4.N8
/Main/DDR2/A5: U1.AB28 U4.N3
/Main/DDR2/A6: U1.AG27 U4.N7
/Main/DDR2/A7: U1.W27 U4.P2
/Main/DDR2/A8: U1.AH26 U4.P8
/Main/DDR2/A9: U1.Y26 U4.P3
/Main/DDR2/A10: U1.AC23 U4.M2
/Main/DDR2/A11: U1.AF26 U4.P7
/Main/DDR2/A12: U1.AD26 U4.R2
/Main/DDR2/A13: U1.Y28 U4.R8
/Main/DDR2/BA0: U1.U25 U4.L2
/Main/DDR2/BA1: U1.AE29 U4.L3
/Main/DDR2/BA2: U1.U23 U4.L1
/Main/DDR2/CAS: U1.W25 U4.L7
/Main/DDR2/CKE: U1.AG25 U4.K2
/Main/DDR2/CKN: R10.1 U1.AC25 U4.K8
/Main/DDR2/CKP: R10.2 U1.AB24 U4.J8
/Main/DDR2/CS#: U1.V24 U4.L8
/Main/DDR2/DML: U1.K22 U4.F3
/Main/DDR2/DMU: U1.N29 U4.B3
/Main/DDR2/DQL0: U1.T24 U4.H3
/Main/DDR2/DQL1: U1.K24 U4.F9
/Main/DDR2/DQL2: U1.T22 U4.H1
/Main/DDR2/DQL3: U1.L23 U4.G8
/Main/DDR2/DQL4: U1.N25 U4.F1
/Main/DDR2/DQL5: U1.L25 U4.H9
/Main/DDR2/DQL6: U1.N23 U4.G2
/Main/DDR2/DQL7: U1.M24 U4.H7
/Main/DDR2/DQU8: U1.N27 U4.D7
/Main/DDR2/DQU9: U1.P26 U4.D3
/Main/DDR2/DQU10: U1.M26 U4.D9
/Main/DDR2/DQU11: U1.P28 U4.B1
/Main/DDR2/DQU12: U1.K28 U4.C8
/Main/DDR2/DQU13: U1.T28 U4.D1
/Main/DDR2/DQU14: U1.K26 U4.B9
/Main/DDR2/DQU15: U1.T26 U4.C2
/Main/DDR2/LDQS_N: U1.P22 U4.E8
/Main/DDR2/LDQS_P: U1.P24 U4.F7
/Main/DDR2/ODT: U1.U27 U4.K9
/Main/DDR2/RAS: U1.Y24 U4.K7
/Main/DDR2/UDQS_N: U1.L27 U4.A8
/Main/DDR2/UDQS_P: U1.L29 U4.B7
/Main/DDR2/WE: U1.W23 U4.K3
/Main/MCU-04/VIO_B05: C101.1 R34.2 R35.2 U1.G15
/Main/MCU-04/VIO_B06: C24.1 R36.2 R37.2 U1.G21 U1.H18
/Main/MCU-04/VIO_B07: C102.1 R38.2 R39.2 U1.J21
/Main/MCU-05/VIO_B08: C103.1 R42.2 R43.2 U1.K20 U1.L19
/Main/MCU-05/VIO_B09: C2.1 R40.2 R41.2 U1.AB18 U1.AC21
/Main/MCU-06/VIO_B10: C8.1 R45.2 R46.2 U1.AA15
/Main/MCU-08/DCDC_IN: C29.1 C30.1 C31.1 C35.1 C110.1 FB1.1 JP1.2 U1.AG3 U1.AG5 U1.AH2 U1.AH4 U1.AJ5
/Main/MCU-08/DCDC_LP: L3.1 R7.2 U1.AF2 U1.AF4 U1.AF6
/Main/MCU-08/DCDCM_LP: L2.1 U1.AH6 U1.AJ7
/Main/MCU_09/DDR_A14: U1.AH28
/Main/MCU_09/DDR_A15: U1.AD24
/Main/MCU_09/DDR_CKE1: U1.AJ25
/Main/MCU_09/DDR_CS1: U1.V26
/Main/MCU_09/DDR_ODT1: U1.U29
/Main/MCU_09/DDR_RST: U1.W29
/Main/MCU_09/ZQ: R58.2 U1.AF24
/Main/PA0: J2.97 JP8.1 U1.AD2
/Main/PA0': JP8.2 R55.1 U11.9
/Main/PA1: J2.95 JP7.1 U1.AD4
/Main/PA1': JP7.2 R54.1 U11.8
/Main/PA2: J2.98 R71.2 U1.AC1
/Main/PA3: J2.96 R72.2 U1.AC3
/Main/PA4: CN1.13 J2.91 U1.AB2
/Main/PA5: CN1.5 J2.89 R25.2 U1.AB4
/Main/PA6: CN1.9 J2.90 R24.1 U1.Y2
/Main/PA7: CN1.7 J2.92 R16.2 U1.Y4
/Main/PA8: CN1.3 J2.83 U1.W1
/Main/PA9: J2.85 U1.W3
/Main/PA10: J2.84 U1.V2
/Main/PA11: J2.86 U1.V4
/Main/PA12: J2.78 U1.U1
/Main/PA13: J2.80 U1.U3
/Main/PA14: J2.79 U1.AD6
/Main/PA15: J2.77 U1.AD8
/Main/PA16: J2.73 U1.AC5
/Main/PA17: J2.71 U1.AC7
/Main/PA18: J2.72 U1.AB6
/Main/PA19: J2.74 U1.AB8
/Main/PA20: J2.67 U1.AA5
/Main/PA21: J2.65 U1.Y6
/Main/PA22: J2.68 U1.Y8
/Main/PA23: J2.66 U1.W5
/Main/PA24: J2.59 U1.W7
/Main/PA25: J2.61 U1.V6
/Main/PA26: J2.62 U1.U5
/Main/PA27: J2.60 U1.U7
/Main/PC0: J3.4 TRST11.1 U1.E3 U10.H5
/Main/PC1: J3.6 R102.1 TRST10.1 U1.B4 U10.M5
/Main/PC2: J3.3 TRST2.1 U1.D4 U10.M6
/Main/PC3: J3.5 TRST1.1 U1.A5 U10.A4
/Main/PC4: J3.8 TRST3.1 U1.C5 U10.A5
/Main/PC5: J3.10 TRST4.1 U1.B6 U10.B2
/Main/PC6: J3.7 TRST9.1 U1.D6 U10.A3
/Main/PC7: J3.9 TRST12.1 U1.E7 U10.K5
/Main/PC8: J3.12 TRST5.1 U1.A7 U10.B3
/Main/PC9: J3.14 TRST6.1 U1.C7 U10.B4
/Main/PC10: J3.11 TRST7.1 U1.B8 U10.B5
/Main/PC11: J3.13 TRST8.1 U1.D8 U10.B6
/Main/PC12: J3.18 U1.E9
/Main/PC13: J3.20 U1.F10
/Main/PC14: J3.17 U1.H10
/Main/PC15: J3.19 U1.E11
/Main/PC16: J3.21 U1.G11
/Main/PC17: J3.23 U1.F12
/Main/PC18: J3.28 U1.B10
/Main/PC19: J3.26 U1.D10
/Main/PC20: J3.31 U1.A11
/Main/PC21: J3.29 U1.C11
/Main/PC22: J3.32 U1.B12
/Main/PC23: J3.30 U1.D12
/Main/PC24: J3.35 U1.A13
/Main/PC25: J3.33 U1.C13
/Main/PC26: J3.36 U1.B14
/Main/PC27: J3.34 U1.D14
/Main/PC28: J3.39 U1.B16
/Main/PC29: J3.37 U1.D16
/Main/PD0: J3.44 U1.F14
/Main/PD1: J3.46 U1.H14
/Main/PD2: J3.45 U1.F16
/Main/PD3: J3.43 U1.H16
/Main/PD4: J3.50 R28.1 U1.A17 U8.1
/Main/PD5: J3.48 U1.C17
/Main/PD6: J3.49 U1.B18 U8.6
/Main/PD7: J3.47 U1.D18
/Main/PD8: J3.56 U1.A19 U8.5
/Main/PD9: J3.54 U1.C19 U8.2
/Main/PD10: J3.55 U1.B20 U8.3
/Main/PD11: J3.53 U1.D20 U8.7
/Main/PD12: J3.58 U1.E17
/Main/PD13: J3.60 U1.G17
/Main/PD14: J3.57 U1.F18
/Main/PD15: J3.59 U1.E19
/Main/PD16: J3.64 U1.G19
/Main/PD17: J3.66 U1.F20
/Main/PD18: J3.65 U1.H20
/Main/PD19: J3.63 U1.E21
/Main/PD20: J3.70 U1.B22
/Main/PD21: J3.68 U1.D22
/Main/PD22: J3.69 U1.A23
/Main/PD23: J3.67 U1.C23
/Main/PD24: J3.76 U1.B24
/Main/PD25: J3.74 U1.D24
/Main/PD26: J3.73 U1.F22
/Main/PD27: J3.75 U1.H22
/Main/PD28: J3.78 U1.E23
/Main/PD29: J3.80 U1.G23
/Main/PD30: J3.77 U1.A25
/Main/PD31: J3.79 U1.C25
/Main/PE0: J3.86 U1.B28
/Main/PE1: J3.84 U1.B26
/Main/PE2: J3.83 U1.C27
/Main/PE3: J3.85 U1.D28
/Main/PE4: J3.88 U1.D26
/Main/PE5: J3.90 U1.G25
/Main/PE6: J3.87 U1.F24
/Main/PE7: J3.89 U1.H24
/Main/PE8: J3.94 U1.E29
/Main/PE9: J3.92 U1.E27
/Main/PE10: J3.93 U1.F28
/Main/PE11: J3.91 U1.F26
/Main/PE12: J3.98 U1.G29
/Main/PE13: J3.96 U1.G27
/Main/PE14: J3.97 U1.H28
/Main/PE15: J3.95 U1.H26
/Main/PE16: J4.68 U1.AJ23
/Main/PE17: J4.70 U1.AG23
/Main/PE18: J4.62 U1.AH22
/Main/PE19: J4.64 U1.AF22
/Main/PE20: J4.56 U1.AH20
/Main/PE21: J4.58 U1.AF20
/Main/PE22: J4.50 U1.AJ19
/Main/PE23: J4.52 U1.AG19
/Main/PE24: J4.69 U1.AE23
/Main/PE25: J4.67 U1.AD22
/Main/PE26: J4.63 U1.AE21
/Main/PE27: J4.61 U1.AD20
/Main/PE28: J4.57 U1.AB20
/Main/PE29: J4.55 U1.AE19
/Main/PE30: J4.51 U1.AC19
/Main/PE31: J4.49 U1.AD18
/Main/PF0: J4.44 JP10.1 U1.AH18
/Main/PF0_USB_PWR: JP10.2 R17.1
/Main/PF1: J4.46 JP14.1 U1.AF18
/Main/PF1': C107.1 JP14.2 R69.2
/Main/PF2: J4.40 JP13.1 U1.AJ17
/Main/PF2': C109.1 JP13.2 R70.2
/Main/PF3: J4.42 JP11.1 U1.AG17
/Main/PF3_USB_OC: JP11.2 R68.1 U14.3
/Main/PF4: J4.34 JP12.1 U1.AH16
/Main/PF4_USB_ID: D4.3 JP12.2 R64.1 R65.2
/Main/PF5: J4.36 JP15.1 U1.AF16
/Main/PF5': JP15.2 LED4.1
/Main/PF6: J4.43 U1.AE17
/Main/PF7: J4.45 U1.AC17
/Main/PF8: J4.33 JP16.1 U1.AD16
/Main/PF8': JP16.2 LED1.1
/Main/PF9: J4.35 JP17.1 U1.AB16
/Main/PF9': JP17.2 LED3.1
/Main/PY0: J4.28 U1.AJ13
/Main/PY1: J4.30 U1.AG13
/Main/PY2: J4.22 U1.AH12
/Main/PY3: J4.24 U1.AF12
/Main/PY4: J4.16 U1.AJ11
/Main/PY5: J4.18 U1.AG11
/Main/PY6: J4.10 U1.AH10
/Main/PY7: J4.12 U1.AF10
/Main/PZ0: J4.27 U1.AD14
/Main/PZ1: J4.29 U1.AB14
/Main/PZ2: J4.23 U1.AE13
/Main/PZ3: J4.21 U1.AC13
/Main/PZ4: J4.17 U1.AE11
/Main/PZ5: J4.15 U1.AC11
/Main/PZ6: J4.11 U1.AD10
/Main/PZ7: J4.9 U1.AB10
/Main/RESET: C108.1 R6.2 U1.AE9
/Main/USB0_DN: L5.2 U1.C3
/Main/USB0_DP: L5.3 U1.B2
/Main/USB/CH340_DN: L1.2 U11.2
/Main/USB/CH340_DP: L1.3 U11.1
/Main/USB/DN: J1.A7 J1.B7 L1.1 U2.3
/Main/USB/DP: J1.A6 J1.B6 L1.4 U2.2
/Main/USB/L4_OUT_1: L4.1 U3.3
/Main/USB/L4_OUT_2: C62.1 C64.1 C65.1 C67.1 JP9.2 L4.2 R73.2
/Main/USB_OTG/DN: J5.A7 J5.B7 L5.1 U13.3
/Main/USB_OTG/DP: J5.A6 J5.B6 L5.4 U13.2
DCDC_GND: C32.2 C36.2 C85.2 C88.2 C89.2 C90.2 C104.2 C112.2 C113.2 C117.2 C140.2 R77.1 U1.AE1 U1.AE3 U1.AE5 U1.AF8 U1.AH8
MIPI0.CK_N: J2.46 U1.P2
MIPI0.CK_P: J2.48 U1.P4
MIPI0.D0_N: J2.45 U1.N1
MIPI0.D0_P: J2.47 U1.N3
MIPI0.D1_N: J2.51 U1.T2
MIPI0.D1_P: J2.53 U1.T4
MIPI1.CK_N: J2.18 U1.P6
MIPI1.CK_P: J2.16 U1.P8
MIPI1.D0_N: J2.23 U1.N5
MIPI1.D0_P: J2.21 U1.N7
MIPI1.D1_N: J2.24 U1.T6
MIPI1.D1_P: J2.22 U1.T8
MIPI2.CK_N: J2.33 U1.H2
MIPI2.CK_P: J2.35 U1.H4
MIPI2.D0_N: J2.27 U1.F2
MIPI2.D0_P: J2.29 U1.F4
MIPI2.D1_N: J2.28 U1.G1
MIPI2.D1_P: J2.30 U1.G3
MIPI2.D2_N: J2.34 U1.K2
MIPI2.D2_P: J2.36 U1.K4
MIPI2.D3_N: J2.39 U1.L1
MIPI2.D3_P: J2.41 U1.L3
MIPI3.CK_N: J2.11 U1.H6
MIPI3.CK_P: J2.9 U1.H8
MIPI3.D0_N: J2.5 U1.F6
MIPI3.D0_P: J2.3 U1.F8
MIPI3.D1_N: J2.6 U1.G5
MIPI3.D1_P: J2.4 U1.G7
MIPI3.D2_N: J2.12 U1.J5
MIPI3.D2_P: J2.10 U1.K6
MIPI3.D3_N: J2.17 U1.L7
MIPI3.D3_P: J2.15 U1.K8
PA28: J2.54 U1.M6
PA29: J2.52 U1.L5
PB14: J2.40 U1.M2
PB15: J2.42 U1.M4
PC30: J3.38 U1.E13
PC31: J3.40 U1.G13
Vcore: C32.1 C36.1 C88.1 C89.1 C104.1 C117.1 JP4.2 L3.2 R1.2
VIO_B00: C10.1 C134.1 R30.2 R31.2 R79.2 U1.AA7 U1.V8
VIO_B01: C1.1 C16.1 R32.2 R33.2 R90.2 U1.J7 U1.M8 U1.R5 U1.R7
VIO_B02: C20.1 C99.1 C115.1 C116.1 J6.2 R91.2 R102.2 U1.G9 U10.C6 U10.M4 U10.N4 U10.P3 U10.P5
VIO_B03: C6.1 R47.2 R48.2 R92.2 U1.H12
VIO_B04: C18.1 R51.2 R52.2 R93.2 U1.E15
VPMC: C40.1 C47.1 JP6.2 R44.2 U1.AB12 U1.AD12
VREF_3.3V: C60.1 C63.1 R19.2 R22.2 R63.1 U6.2
VREFH: C37.1 C38.1 R63.2 U1.W19 U1.Y20
Net-(C84-Pad1): C84.1 R8.1
Net-(C111-Pad1): C111.1 C118.1 C133.1 C135.1 C136.1 L6.2 R78.1 R81.2
Net-(C137-Pad1): C14.1 C21.1 C137.1 C139.1 C141.1 FB2.2 L7.2 R88.2
Net-(C140-Pad1): C140.1 R7.1
Net-(CN1-Pad2): CN1.2 R26.1
Net-(D2-Pad3): D2.3 R8.2
Net-(J1-CC1): J1.A5 R4.1
Net-(J1-CC2): J1.B5 R5.1
Net-(J4-Pin_80): J4.80 R79.1
Net-(J4-Pin_82): J4.82 R90.1
Net-(J4-Pin_84): J4.84 R91.1
Net-(J4-Pin_86): J4.86 R92.1
Net-(J4-Pin_88): J4.88 R93.1
Net-(J5-CC1): D4.1 J5.A5 R62.2
Net-(J5-CC2): D4.2 J5.B5 R61.2
Net-(JP2-B): C25.1 JP2.2 R2.2 U1.U19 U1.V18 U1.W17
Net-(JP5-A): D2.2 JP5.1 R29.1
Net-(KEY1-Pad3): KEY1.3 KEY1.4 R69.1
Net-(KEY2-Pad3): KEY2.3 KEY2.4 R70.1
Net-(LED1-A): LED1.2 R11.1
Net-(LED2-A): LED2.2 R23.1
Net-(LED3-A): LED3.2 R12.1
Net-(LED4-A): LED4.2 R15.1
Net-(Q1-D): Q1.3 R17.2 R66.1 U14.4
Net-(Q1-G): Q1.1 R65.1
Net-(R6-Pad1): R6.1 SW1.3 SW1.4
Net-(R19-Pad1): R19.1 R20.2
Net-(SW2-PIN3): R72.1 SW2.3
Net-(SW2-PIN4): R71.1 SW2.4
Net-(U1K-USB0_VBUS): C51.1 R18.2 U1.J9
Net-(U1L-RTC_XTAL_IN): C52.1 U1.AH14 X2.1
Net-(U1L-RTC_XTAL_OUT): C53.1 U1.AF14 X2.2
Net-(U1L-XTAL_IN): C49.1 R9.2 U1.E1 X3.3
Net-(U1L-XTAL_OUT): R9.1 R86.2 U1.D2
Net-(U3-EN): C57.1 R67.1 U3.1
Net-(U3-FB): C62.2 R73.1 R74.2 U3.5
Net-(U5-EN): R57.2 U5.3
Net-(U6-R): R20.1 R21.2 U6.1
Net-(U7-EN): R14.2 U7.5
Net-(U7-SW): C123.2 L7.1 U7.2
Net-(U7-VBST): C123.1 U7.6
Net-(U7-VFB): C137.2 R88.1 R89.2 U7.4
Net-(U9-EN): R27.2 U9.3
Net-(U10A-VDDI): C95.2 U10.C2
Net-(U11-~{CTS}): R53.2 U11.5
